# Altium PCB STM32H743II.PcbDoc (part 1 of 3)
Units mm, origin at the board's own origin, x right, y up, seen from the top; angles counter-clockwise.
Board outline 132.8 x 97.41 mm, 4 copper layers (Top Layer, GND, Power, Bottom Layer), stack 0.778 mm thick; 128 components, 206 nets, 736 pads, 989 vias.
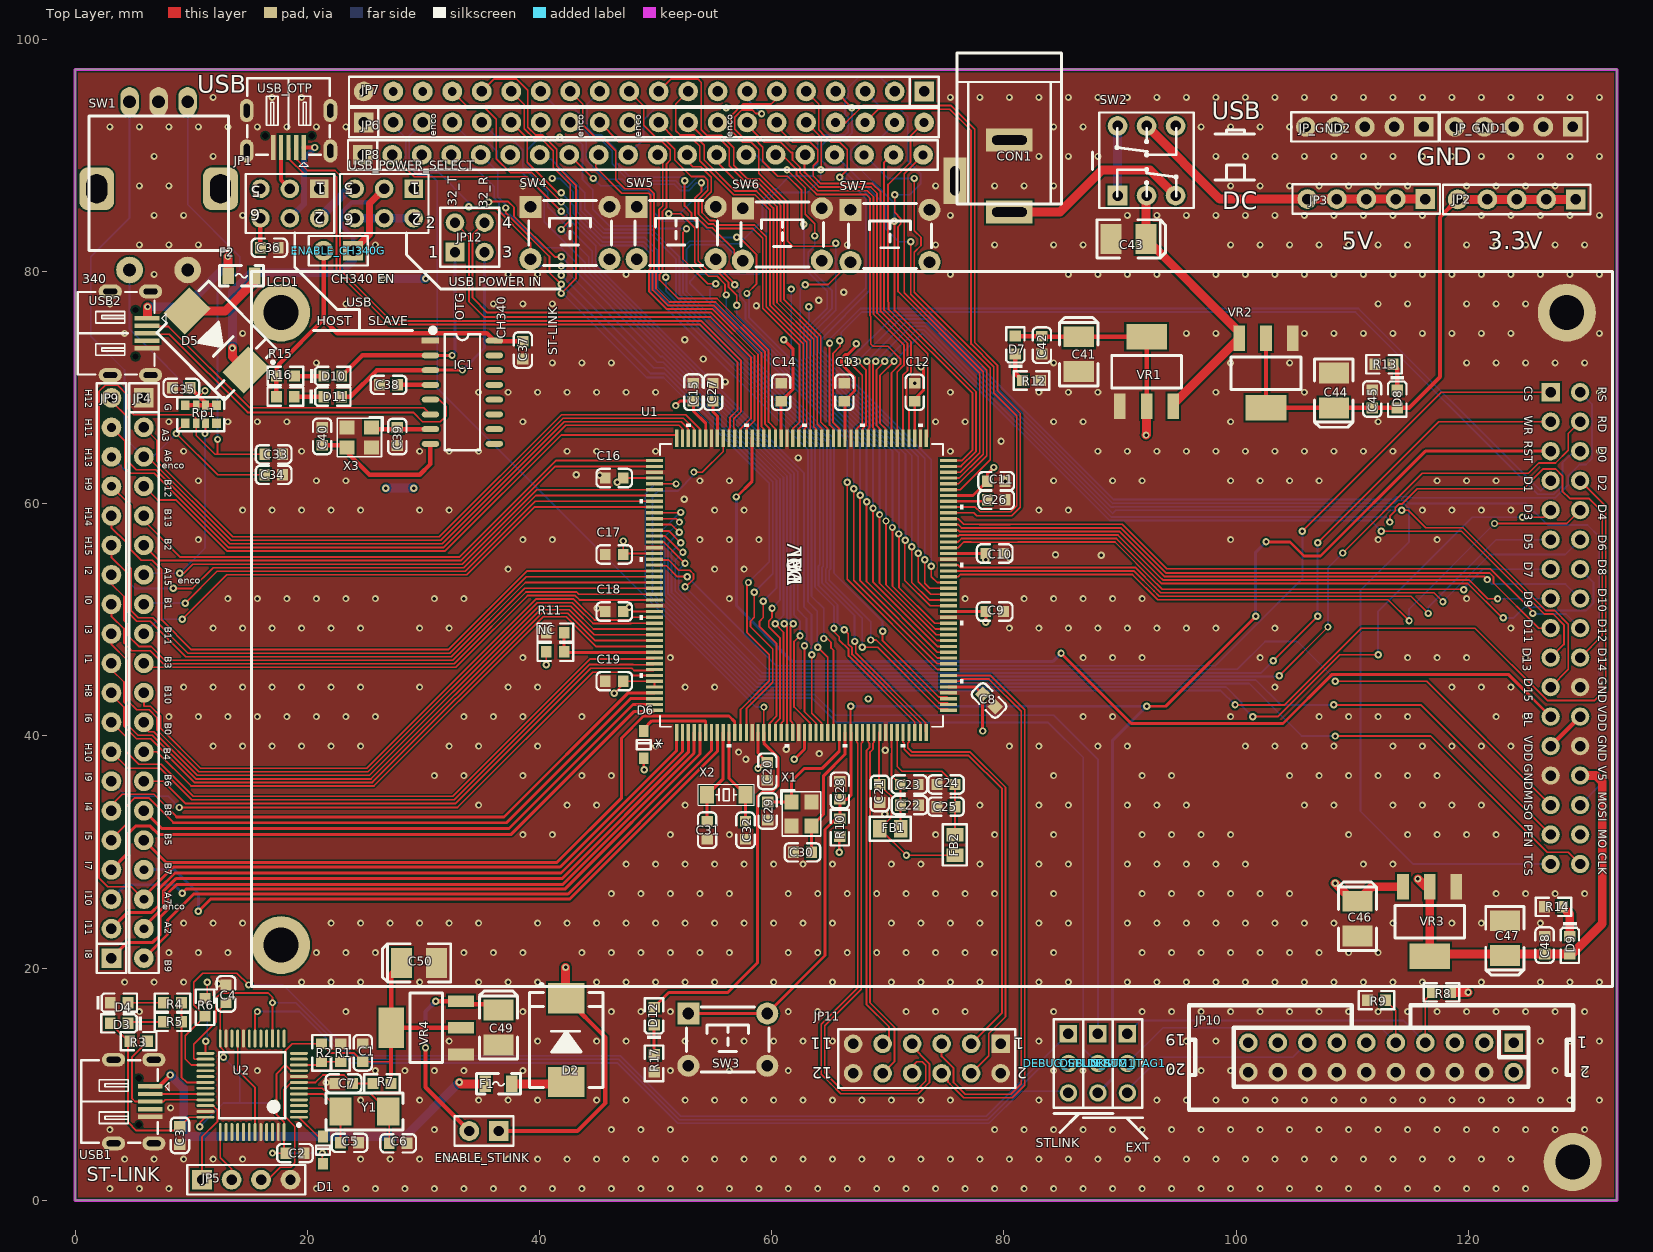
[diagram p0: Top Layer view]
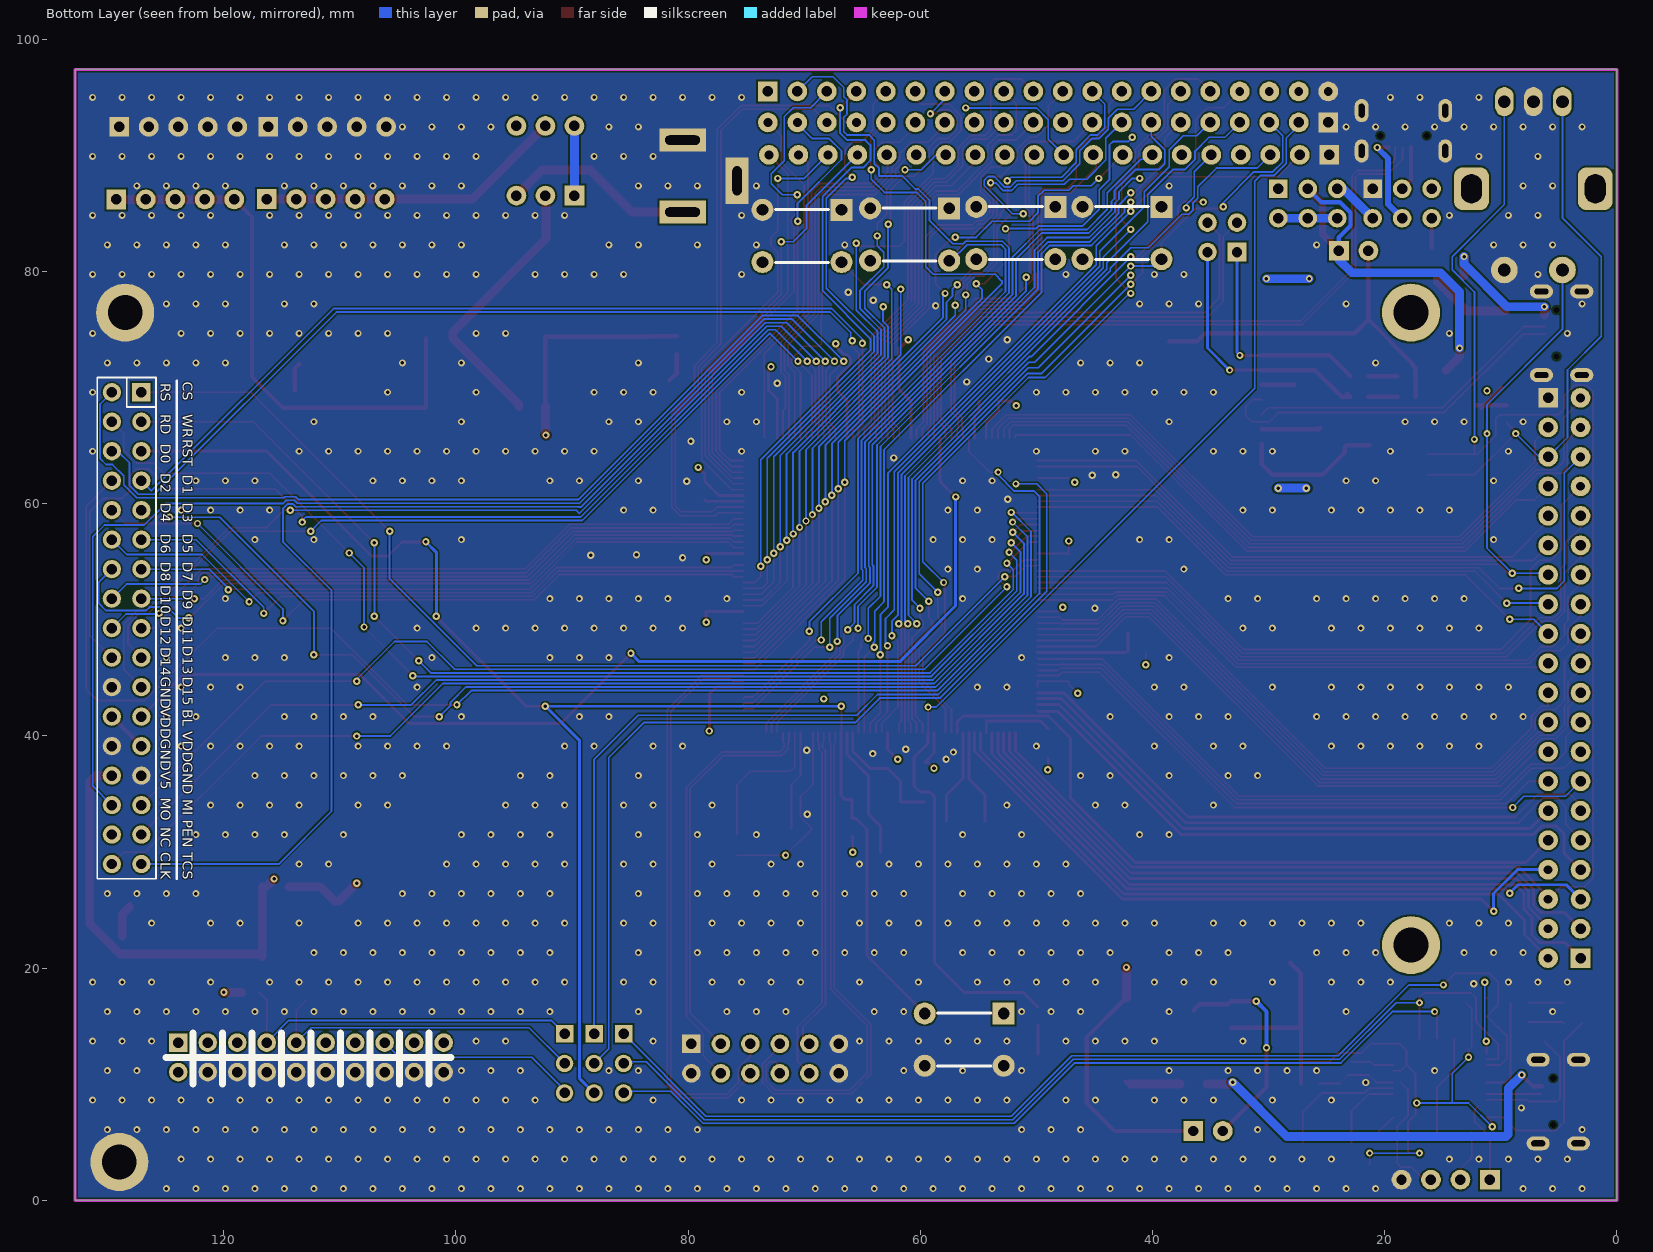
[diagram p1: Bottom Layer view, seen from below]
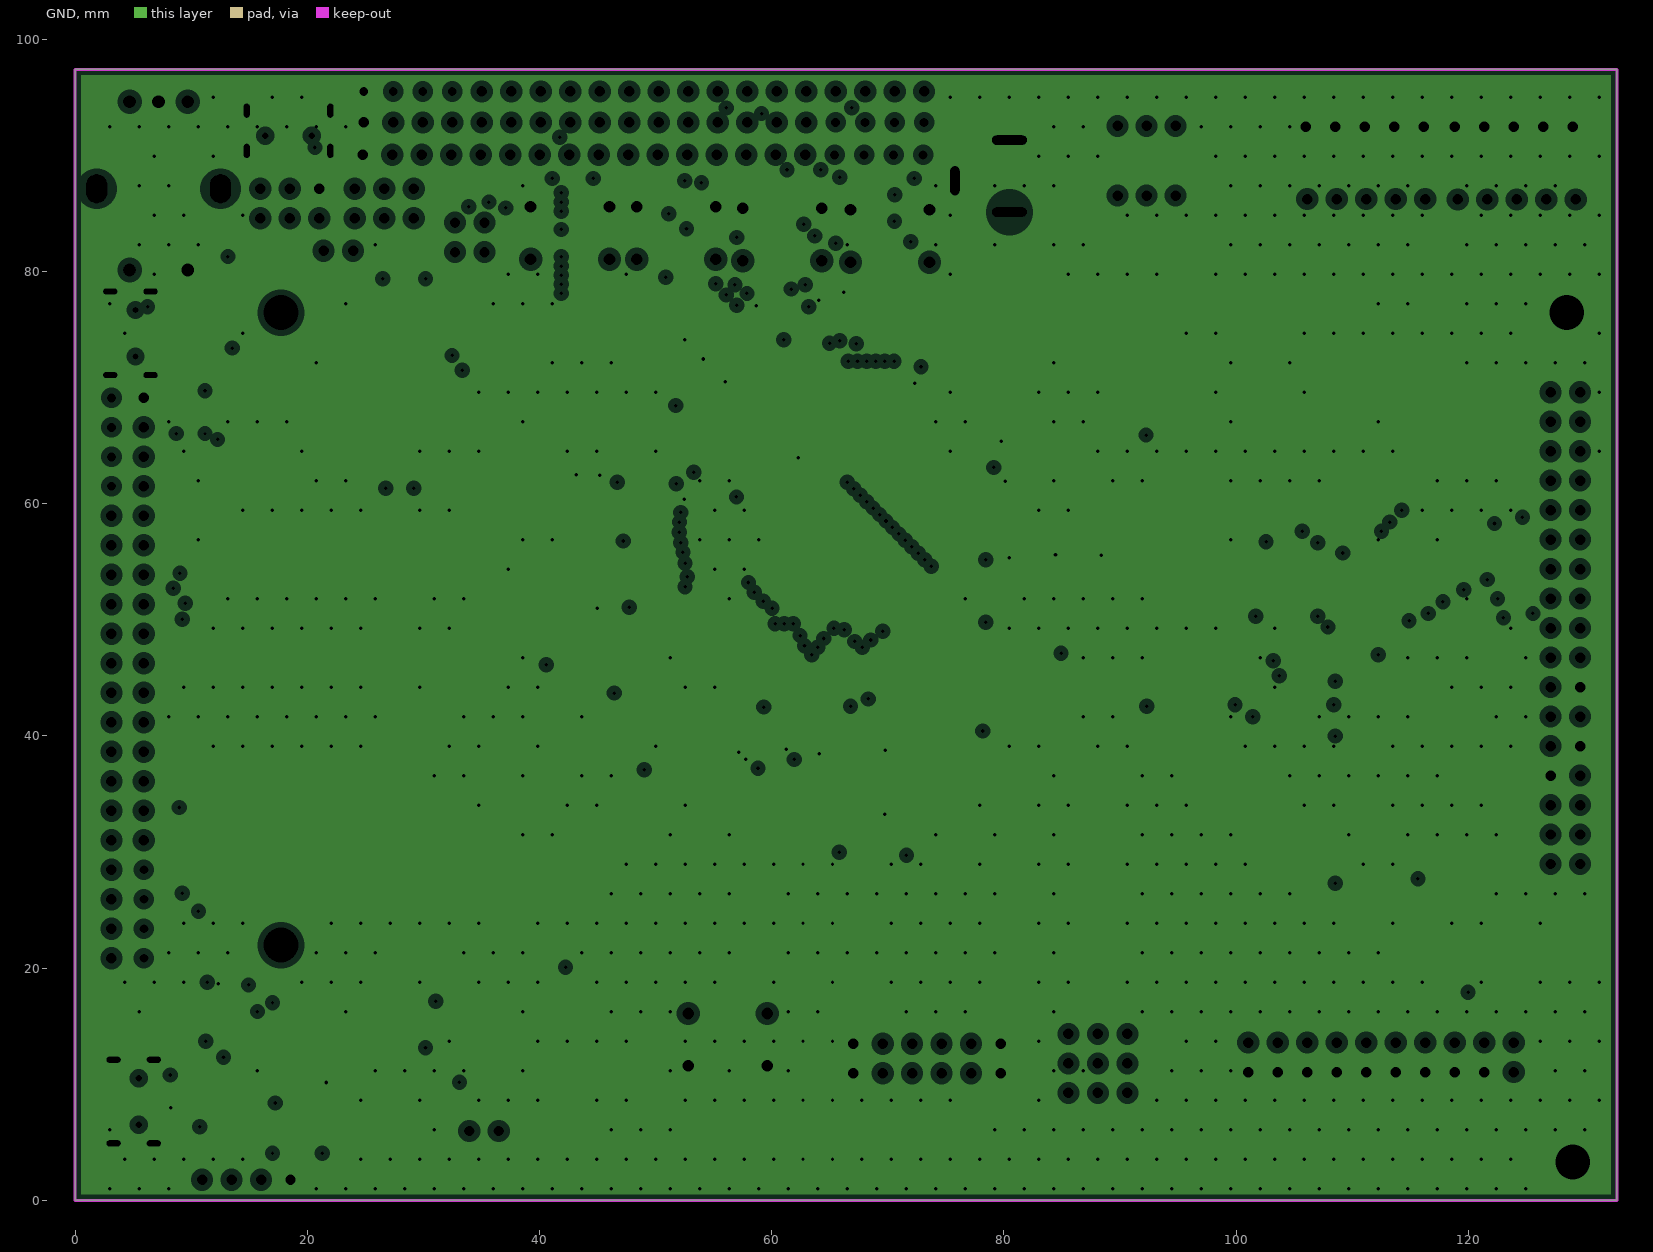
[diagram p2: GND, clearances drawn from the general rule]
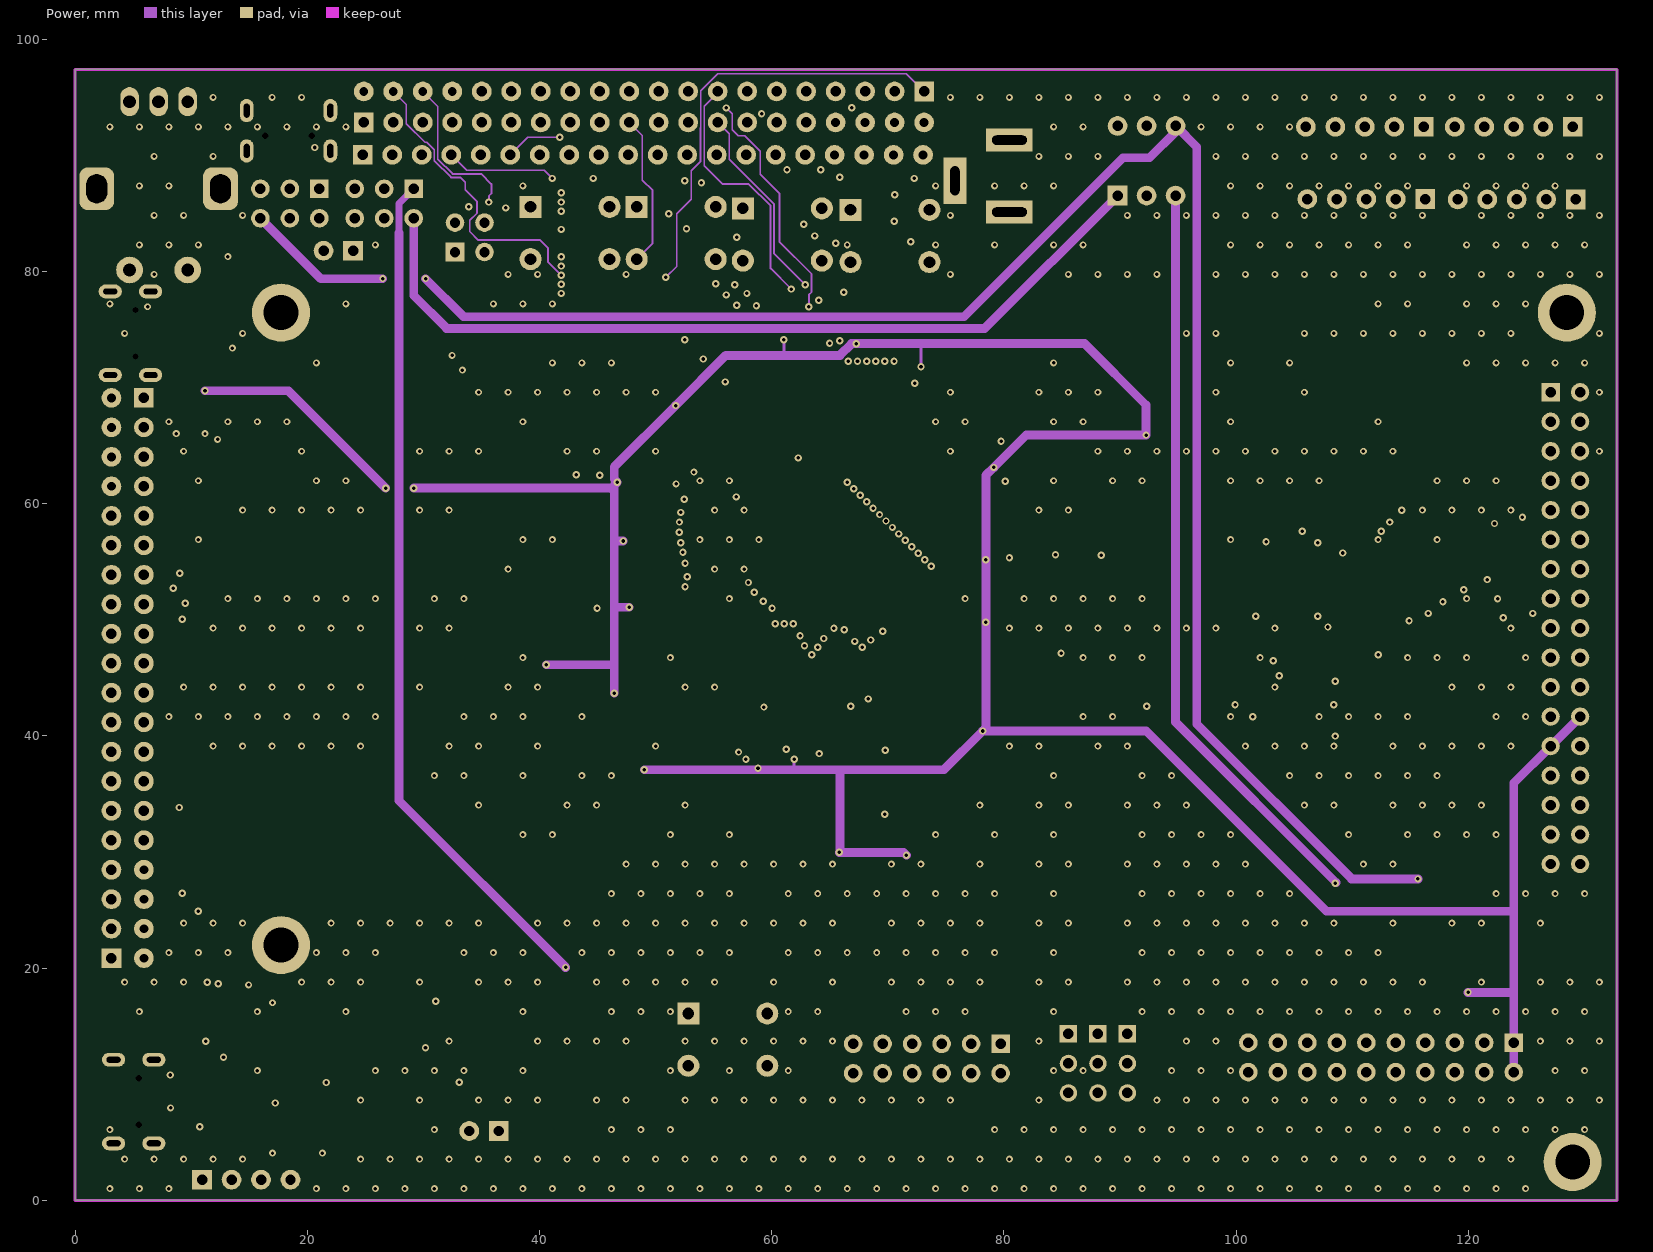
[diagram p3: Power]

## Layer stack, top to bottom
Top Solder: solder mask 0.0102, Solder Resist, Dk 3.5
Top Layer: signal copper 0.0356
Dielectric 1: core 0.254, FR-4, Dk 4.2
GND: plane copper 0.036, net GND
Dielectric 4: prepreg 0.127, Dk 4.2
Power: signal copper 0.036
Dielectric 3: core 0.254, Dk 4.2
Bottom Layer: signal copper 0.0356
Bottom Solder: solder mask 0.0102, Solder Resist, Dk 3.5

## Board outline
0,0 0,97.409 132.802,97.409 132.802,0

## Design rules (kind name [scope] priority, off if disabled: settings)
Clearance [All] p1: gap=0.152 ignorepadtopadclearanceinfootprint=FALSE
ComponentClearance [All] p1: gap=0 collisioncheckmode=3 verticalgap=0.254 showdistances=FALSE
DiffPairsRouting [All] p1: maxlimit=0.254 minlimit=0.152 mostfreqgap=0.254 toplayer_minwidth=0.152 toplayer_maxwidth=0.381 toplayer_prefwidth=0.152 midlayer1_minwidth=0.152 midlayer1_maxwidth=0.381 midlayer1_prefwidth=0.152 bottomlayer_minwidth=0.152 bottomlayer_maxwidth=0.381 bottomlayer_prefwidth=0.152 maxuncoupledlength=12.7
PlaneClearance [All] p1: clearance=0.508
PlaneConnect [All] p1: planeconnectstyle=Direct reliefexpansion=0.508 reliefentries=4 reliefconductorwidth=0.254 reliefairgap=0.254
PolygonConnect [All] p1: connectstyle=Direct reliefconductorwidth=0.254 reliefentries=4 polygonreliefangle="90 Angle" airgapwidth=0.254
RoomDefinition ST-LINK [InComponentClass('ST-LINK')] p1 off: confinementstyle=ConfineIn formatcopy=TRUE lockcomponents=FALSE outline -32.044,185.674 -10.835,185.674 -10.835,191.262 -32.044,191.262
RoomDefinition POWER [InComponentClass('POWER')] p2 off: confinementstyle=ConfineIn formatcopy=TRUE lockcomponents=FALSE outline 4.899,170.616 156.029,170.616 156.029,188.523 4.899,188.523
RoomDefinition DEVICE [InComponentClass('DEVICE')] p3 off: confinementstyle=ConfineIn formatcopy=TRUE lockcomponents=FALSE outline 243.771,279.11 408.363,279.11 408.363,299.049 243.771,299.049
RoomDefinition CORE [InComponentClass('CORE')] p4 off: confinementstyle=ConfineIn formatcopy=TRUE lockcomponents=FALSE outline -37.632,116.774 -0.817,116.774 -0.817,128.651 -37.632,128.651
RoomDefinition CONNECTOR [InComponentClass('CONNECTOR')] p5 off: confinementstyle=ConfineIn formatcopy=TRUE lockcomponents=FALSE outline -17.185,308.693 187.539,308.693 187.539,360.255 -17.185,360.255
RoutingVias [All] p1: holewidth=0.305 width=0.635 viastyle="Through Hole" minholewidth=0.305 minwidth=0.635 maxholewidth=0.711 maxwidth=1.27
SolderMaskExpansion [All] p1: expansion=0.102
Width [All] p1: maxlimit=50.8 minlimit=0.152 preferedwidth=0.152
26 further rules are at their usual default settings.

## Classes and differential pairs
component class CONNECTOR: D5 DEBUG_JTAG1 DEBUG_STLINK1 DEBUG_STM1 ENABLE_CH340G F2 JP1 JP2 JP3 JP4 JP6 JP7 JP8 JP9 JP10 JP11 JP_GND1 JP_GND2 R8 R9 USB2 USB_OTP
component class CORE: C8 C9 C10 C11 C12 C13 C14 C15 C16 C17 C18 C19 C20 C21 C22 C23 C24 C25 C26 C27 C28 C29 C30 C31 C32 D6 FB1 FB2 NC R10 R11 SW3 U1 X1 X2
component class DEVICE: C33 C34 C35 C36 C37 C38 C39 C40 D10 D11 D12 IC1 JP12 LCD1 R15 R16 R17 Rp1 SW1 SW4 SW5 SW6 SW7 X3
component class POWER: C41 C42 C43 C44 C45 C46 C47 C48 CON1 D7 D8 D9 R12 R13 R14 SW2 USB_POWER_SELECT VR1 VR2 VR3
component class ST-LINK: C1 C2 C3 C4 C5 C6 C7 C49 C50 D1 D2 D3 D4 ENABLE_STLINK F1 JP5 R1 R2 R3 R4 R5 R6 R7 U2 USB1 VR4 Y1
differential pair ADC_IN10: +ADC_IN10_P -ADC_IN10_N
differential pair ADC_IN12: +ADC_IN12_P -ADC_IN12_N
differential pair ADC_IN16: +ADC_IN16_P -ADC_IN16_N
differential pair ADC_IN18: +ADC_IN18_P -ADC_IN18_N
differential pair CH340G: +CH340G_P -CH340G_N
differential pair USB_OTG: +USB_OTG_P -USB_OTG_N
differential pair USB: +USB_P -USB_N

## Components (designator, comment, footprint, x,y, rotation, side; value= is the part's Value field where it differs from the comment)
C1 "100nF (104) 10% 50V" 0603_C 24.783,12.708 r270 top
C2 "100nF (104) 10% 50V" 0603_C 18.941,4.064 r180 top
C3 "100nF (104) 10% 50V" 0603_C 9.035,5.588 r90 top
C4 "100nF (104) 10% 50V" 0603_C 13.007,17.78 r270 top
C5 "20pF (200) 5% 50V" 0603_C 23.632,4.953 r180 top
C6 "20pF (200) 5% 50V" 0603_C 27.831,4.909 r180 top
C7 "100nF (104) 10% 50V" 0603_C 23.132,10.063 r0 top
C8 "100nF (104) 10% 50V" 0603_C 78.714,43.053 r135 top
C9 "100nF (104) 10% 50V" 0603_C 79.208,50.709 r180 top
C10 "100nF (104) 10% 50V" 0603_C 79.208,55.709 r180 top
C11 "100nF (104) 10% 50V" 0603_C 79.335,61.936 r180 top
C12 "100nF (104) 10% 50V" 0603_C 72.321,69.596 r270 top
C13 "100nF (104) 10% 50V" 0603_C 66.254,69.596 r270 top
C14 "100nF (104) 10% 50V" 0603_C 60.821,69.596 r270 top
C15 "100nF (104) 10% 50V" 0603_C 53.252,69.6 r270 top
C16 "100nF (104) 10% 50V" 0603_C 46.442,62.209 r0 top
C17 "100nF (104) 10% 50V" 0603_C 46.442,55.626 r0 top
C18 "100nF (104) 10% 50V" 0603_C 46.442,50.709 r0 top
C19 "100nF (104) 10% 50V" 0603_C 46.442,44.709 r0 top
C20 "100nF (104) 10% 50V" 0603_C 59.621,36.949 r90 top
C21 "100nF (104) 10% 50V" 0603_C 69.321,35.044 r90 top
C22 "2.2uF (225) 10% 16V" 0603_C 71.871,34.036 r180 top
C23 "100nF (104) 10% 50V" 0603_C 71.85,35.814 r180 top
C24 "10uF (106) 10% 10V" 0603_C 75.009,35.814 r0 top
C25 "100nF (104) 10% 50V" 0603_C 75.009,33.909 r0 top
C26 "2.2uF (225) 10% 16V" 0603_C 79.335,60.325 r180 top
C27 "2.2uF (225) 10% 16V" 0603_C 54.951,69.596 r270 top
C28 "100nF (104) 10% 50V" 0603_C 65.873,35.305 r270 top
C29 "12pF (120) 5% 50V" 0603_C 59.65,33.528 r90 top
C30 "12pF (120) 5% 50V" 0603_C 62.651,29.972 r180 top
C31 "12pF (120) 5% 50V" 0603_C 54.444,31.877 r90 top
C32 "12pF (120) 5% 50V" 0603_C 57.744,31.877 r90 top
C33 "100nF (104) 10% 50V" 0603_C 17.105,64.251 r180 top
C34 "100nF (104) 10% 50V" 0603_C 17.105,62.484 r180 top
C35 "100nF (104) 10% 50V" 0603_C 9.162,69.977 r180 top
C36 "100nF (104) 10% 50V" 0603_C 16.732,82.042 r180 top
C37 "100nF (104) 10% 50V" 0603_C 38.568,73.227 r270 top
C38 "100nF (104) 10% 50V" 0603_C 27.003,70.231 r180 top
C39 "20pF (200) 5% 50V" 0603_C 27.756,65.786 r90 top
C40 "20pF (200) 5% 50V" 0603_C 21.279,65.794 r270 top
C41 "100uF (107) ±10% 6.3V" CASE-B_3528 86.447,72.874 r90 top
C42 "100nF (104) 10% 50V" 0603_C 83.272,73.652 r90 top
C43 "100uF (107) ±10% 6.3V" CASE-B_3528 90.741,82.804 r0 top
C44 "100uF (107) ±10% 6.3V" CASE-B_3528 108.418,69.747 r270 top
C45 "100nF (104) 10% 50V" 0603_C 111.72,69.017 r270 top
C46 "100uF (107) ±10% 6.3V" CASE-B_3528 110.45,24.257 r90 top
C47 "100uF (107) ±10% 6.3V" CASE-B_3528 123.15,22.582 r270 top
C48 "100nF (104) 10% 50V" 0603_C 126.566,21.979 r270 top
C49 "100uF (107) ±10% 6.3V" CASE-B_3528 36.467,14.883 r90 top
C50 "100uF (107) ±10% 6.3V" CASE-B_3528 29.633,20.447 r180 top
CON1 "3.5*1.3" DC-005 80.478,91.313 r90 top
D1 "1N4148WS T4" SOD-323 21.354,4.318 r270 top
D2 "SS34" SMC 42.309,13.799 r90 top
D3 "绿灯 0603" 0603_LED_S1 3.804,15.24 r180 top
D4 "红灯 0603" 0603_LED_S1 3.804,17.018 r0 top
D5 "SS34" SMC 12.182,74.041 r315 top
D6 "1N4148WS T4" SOD-323 48.982,39.243 r270 top
D7 "红灯 0603" 0603_LED_S1 80.986,73.66 r90 top
D8 "红灯 0603" 0603_LED_S1 113.879,69.017 r270 top
D9 "红灯 0603" 0603_LED_S1 128.738,21.979 r270 top
D10 "红灯 0603" 0603_LED_S1 22.198,70.993 r0 top
D11 "红灯 0603" 0603_LED_S1 22.189,69.215 r0 top
D12 "红灯 0603" 0603_LED_S1 49.871,15.867 r90 top
DEBUG_JTAG1 "Header 3" HDR1X3 90.638,14.331 r270 top
DEBUG_STLINK1 "Header 3" HDR1X3 85.558,14.331 r270 top
DEBUG_STM1 "Header 3" HDR1X3 88.098,14.331 r270 top
ENABLE_CH340G "HDR-1X2" HDR2.54-LI-2P 22.676,81.788 r180 top
ENABLE_STLINK "HDR-1X2" HDR2.54-LI-2P 35.222,5.969 r180 top
F1 "MF-PSFM050X-2 0.5A 6V" "FU 0805" 36.467,10.033 r0 top
F2 "MF-PSFM050X-2 0.5A 6V" "FU 0805" 14.341,79.629 r0 top
FB1 "600Ω ±25% 100MHz" 0805_L 70.211,32.004 r180 top
FB2 "600Ω ±25% 100MHz" 0805_L 75.779,30.607 r270 top
IC1 "CH340G" SOP16_L 33.361,69.596 r0 top
JP1 "Header3X2" HDR2.54-LI-2x3P 18.502,85.852 r180 top
JP2 "HDR-1X5" HDR2.54-LI-5P 124.166,86.208 r180 top
JP3 "HDR-1X5" HDR2.54-LI-5P 111.212,86.233 r180 top
JP4 "HDR-1X20" HDR2.54-LI-20P 5.929,44.985 r270 top
JP5 "HDR-1X4" HDR2.54-LI-4P 14.75,1.778 r0 top
JP6 "HDR-1X20" HDR2.54-LI-20P 49,92.837 r0 top
JP7 "HDR-1X20" HDR2.54-LI-20P 49,95.504 r180 top
JP8 "HDR-1X20" HDR2.54-LI-20P 48.913,90.043 r0 top
JP9 "HDR-1X20" HDR2.54-LI-20P 3.135,44.985 r90 top
JP10 "Header 2X10" IDC2.54-LI-2x10P 123.912,13.589 r180 top
JP11 "Header 6X2" HDR2.54-LI-2x6P 73.366,12.208 r180 top
JP12 "Header2X2" HDR2.54-LI-2x2P 33.996,82.943 r0 top
JP_GND1 "HDR-1X5" HDR2.54-LI-5P 123.912,92.456 r180 top
JP_GND2 "HDR-1X5" HDR2.54-LI-5P 111.085,92.456 r180 top
LCD1 "TFT_LCD4.7" DB2*17-3.5 15.2,80.014 r270 top locked